# Altium PCB PCB_with_drawing_try2.PcbDoc (part 5 of 5)
Units mm, origin at the board's own origin, x right, y up, seen from the top; angles counter-clockwise.
Board outline 187.5 x 240 mm, 2 copper layers (Top Layer, Bottom Layer), stack 2.8 mm thick; 489 components, 419 nets, 1569 pads, 683 vias.
Unrouted connection lines stored in the file: 11.
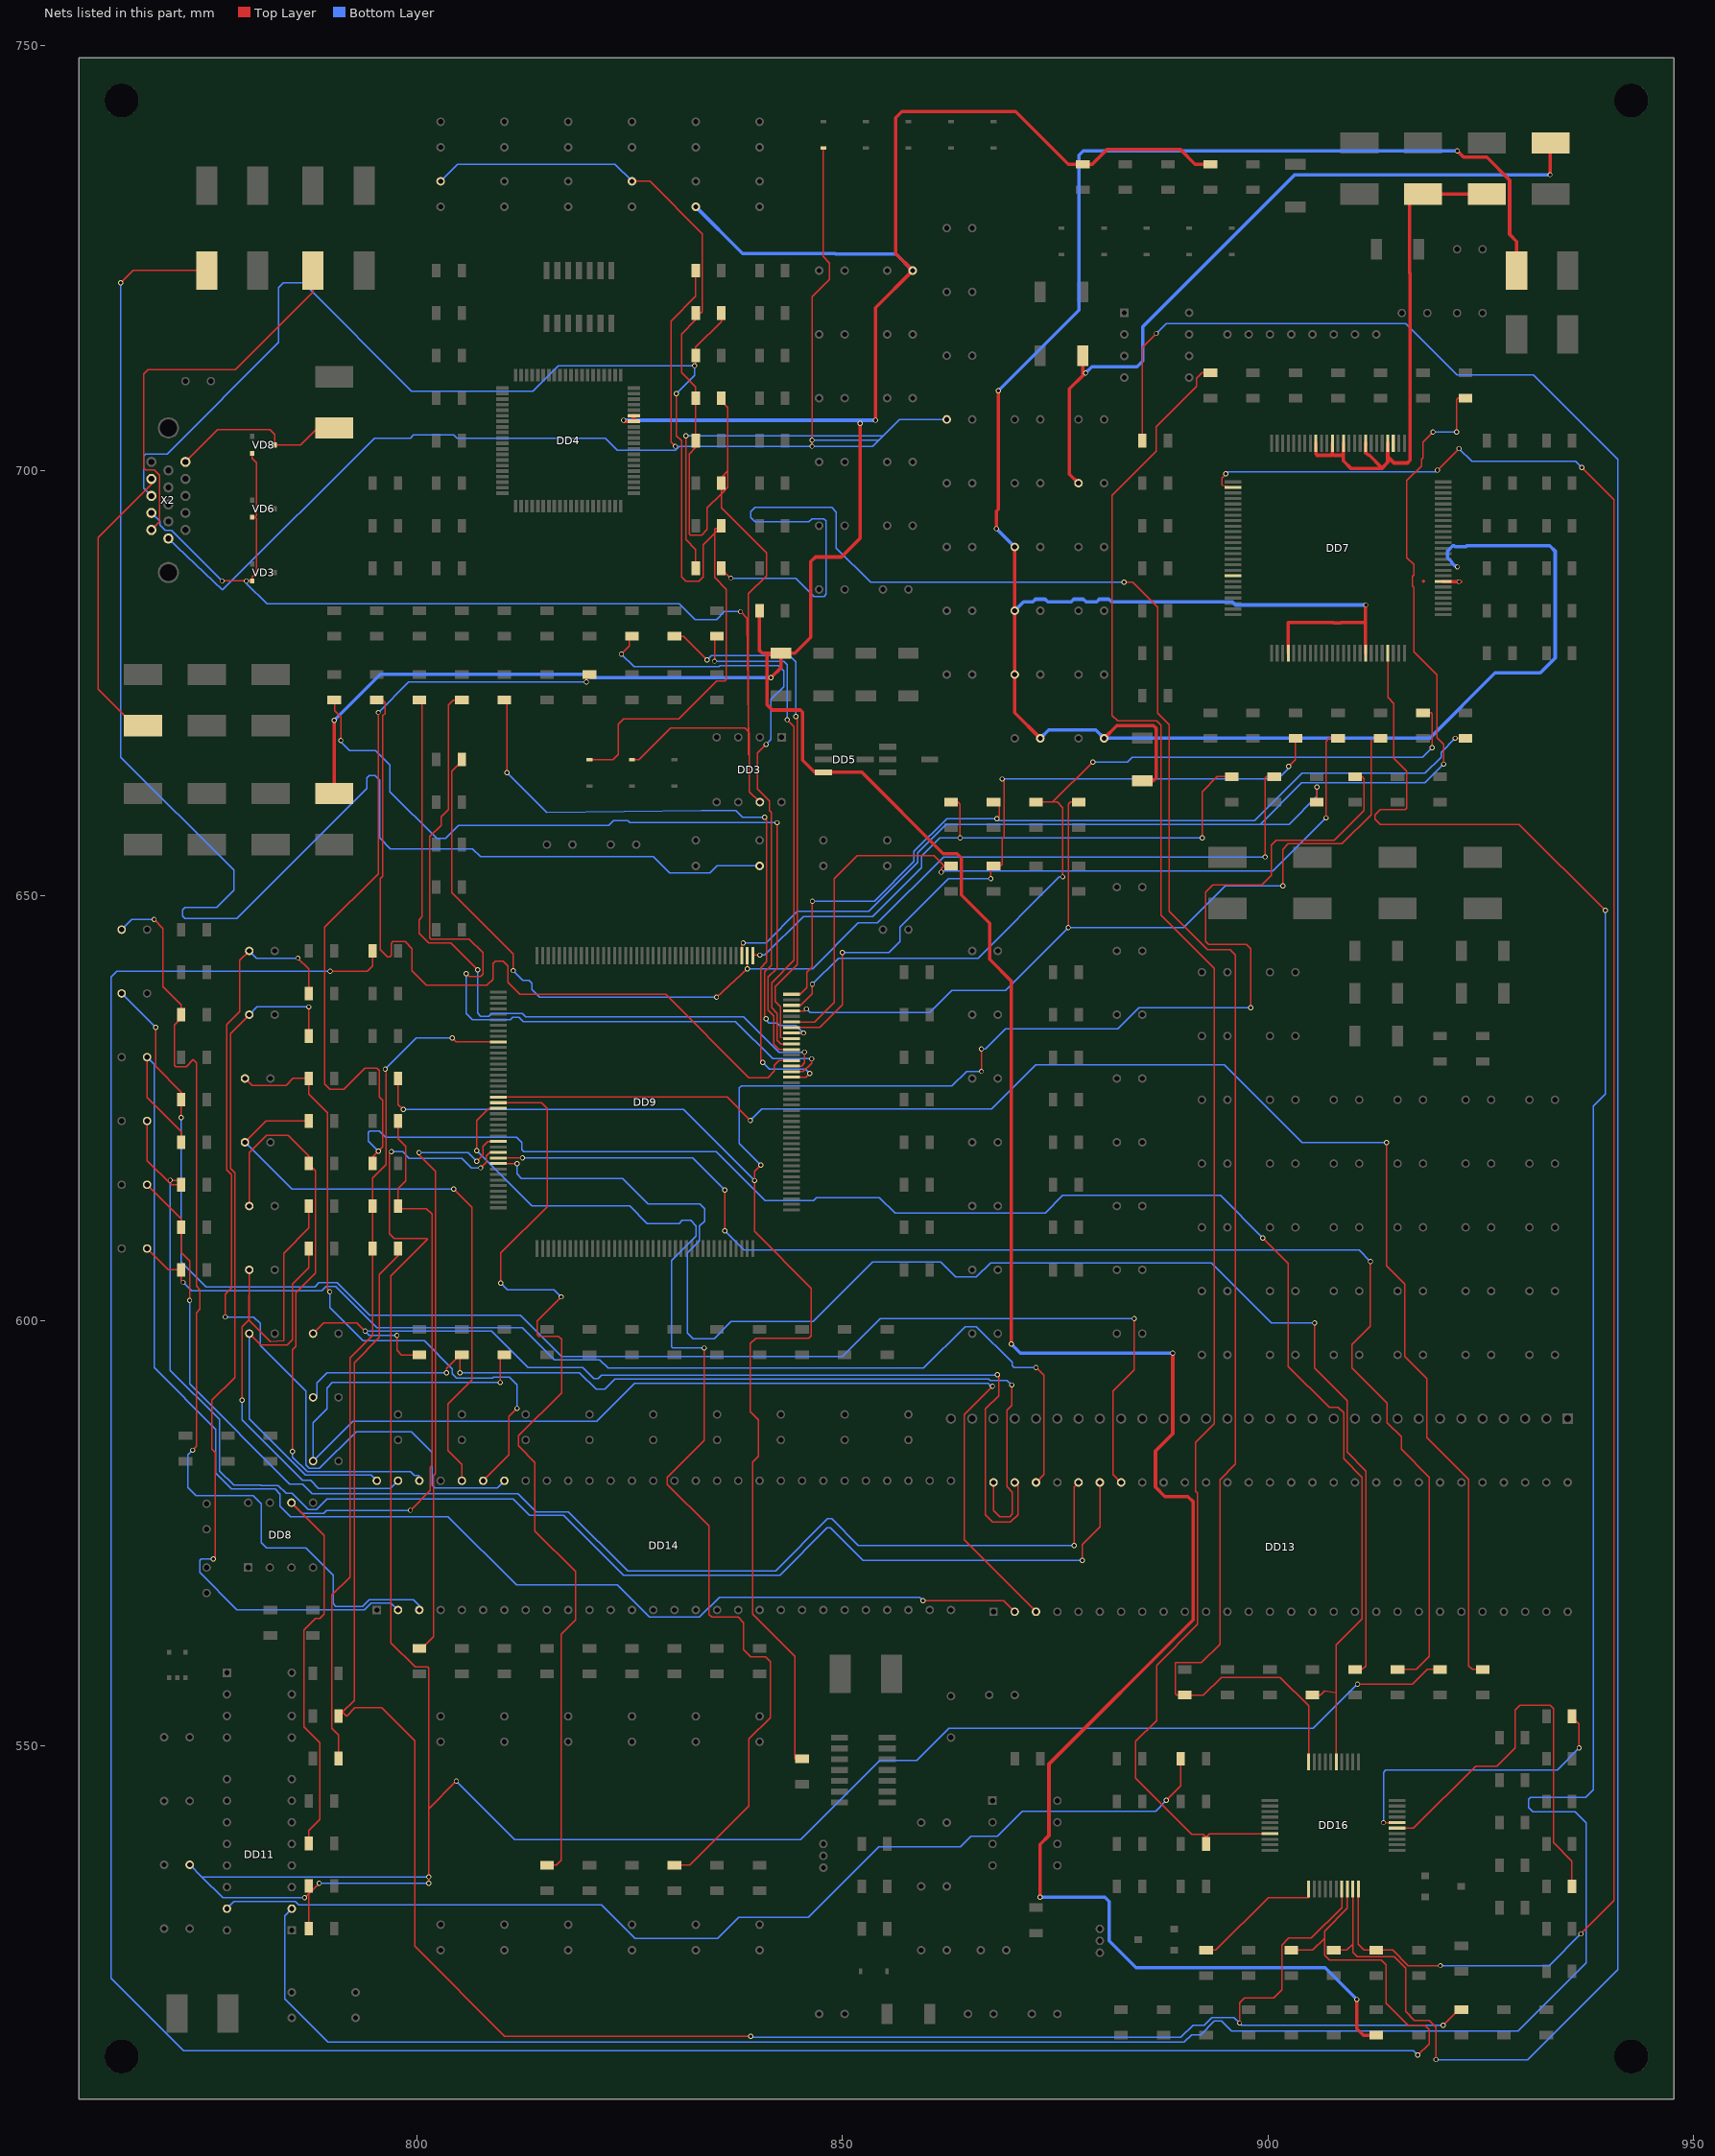
[diagram p5: the nets of this part, all layers, seen from the top]

## Via types
v1: diameter 0.6, hole 0.4, Top Layer to Bottom Layer, 677 vias
v2: diameter 0.5, hole 0.4, Top Layer to Bottom Layer, 3 vias
v3: diameter 0.4, hole 0.4, Top Layer to Bottom Layer, 2 vias
v4: diameter 0.6, hole 0.3, Top Layer to Bottom Layer, 1 vias

## Nets (pads, with @x,y where several pads share a name; then routed paths per layer and width w, separated by ;. In a path a pad name is that pad's centre, name@x,y a point inside that pad or via, vN(x,y) a via of type N, cw(c..) or ccw(c..) an arc to the next point about the centre after c; other vN are vias at no path point) (continued)
O3_3V: C43.1 C46.2 C48.2 C51.2 C53.2 C54.2 DD7.18 DD7.29 DD7.43 DD7.57 DD7.78 L14.2 | length 309.2
  Top Layer w0.4: v1(868.099,693.151) 868.099,695.206 868.321,695.428 v1(868.321,709.37) ; C54.2@870.25,691 C53.2@870.25,683.5 C51.2@870.25,676 870.25,671.5 C48.2@873.25,668.5 ; C46.2@880.75,668.5 882.256,670.006 886.54,670.006 886.87,669.676 886.87,663.834 886.536,663.5 C43.1@885.25,663.5 ; DD7.29@902.4,678.5 902.4,682.1 907.684,682.1 907.739,682.045 908.561,682.045 908.616,682.1 911.45,682.1 911.5,682.05 ; DD7.43@911.5,678.5 911.5,682.05 ; v1(911.508,684.179) 911.5,684.172 911.5,682.05 ; DD7.57@920.6,686.95 920.631,686.919 v2@922.694,686.919 ; v1(922.277,737.57) 923.014,736.834 925.732,736.834 928.424,734.141 928.424,727.753 929.25,726.928 L14.2@929.25,723.5
  Bottom Layer w0.4: v1(868.099,693.151) C54.2@870.25,691 ; v1(868.321,709.37) 877.802,718.85 877.802,737.062 878.31,737.57 v1(922.277,737.57) ; C53.2@870.25,683.5 871.285,684.535 872.365,684.535 872.688,684.858 873.813,684.858 874.113,684.558 876.888,684.558 877.188,684.858 878.313,684.858 878.636,684.535 879.864,684.535 880.187,684.858 881.312,684.858 881.636,684.535 895.836,684.535 896.192,684.179 v1(911.508,684.179) ; C48.2@873.25,668.5 874.223,669.473 879.777,669.473 C46.2@880.75,668.5 919.044,668.5 926.722,676.178 932.031,676.178 933.784,677.931 933.784,690.504 933.149,691.139 923.398,691.139 923.297,691.038 922.003,691.038 921.902,691.139 921.744,691.139 921.109,690.504 921.109,689.75 921.642,689.216 921.642,689.115 921.998,688.759 922.168,688.759 v1(922.285,688.642)
  other v2: 922.45,686.9
OSD_B: DD9.22 R190.2 | length 131.9
  Top Layer w0.15: v1(806.987,620.019) 806.987,623.575 808.412,625 DD9.22@809.55,625 ; R190.2@830.25,536 832.057,536 838.991,542.934 838.991,550.829 841.505,553.344 841.505,559.948 840.947,560.507 839.194,560.507 838.356,561.345 838.356,564.52 837.721,565.155 834.622,565.155 834.292,565.485 834.292,575.875 829.421,580.746 829.421,581.62 833.733,585.932 v1(833.733,596.803)
  Bottom Layer w0.15: v1(806.987,620.019) 813.467,613.539 824.97,613.539 827.049,611.459 830.818,611.459 831.168,611.809 832.139,611.809 832.783,611.164 832.783,609.986 829.898,607.1 829.898,596.956 830.05,596.803 v1(833.733,596.803)
OSD_CLK: C131.1 DD9.30 R175.2 R176.2 R193.2 | length 302.7
  Top Layer w0.15: v1(786.768,532.16) 787.25,532.642 ; R176.2@787.25,528.54 787.25,532.642 ; R175.2@787.25,533.54 787.25,532.642 ; v1(788.47,533.862) 787.25,532.642 ; v1(796.979,619.892) 796.751,619.663 796.751,610.24 797.284,609.707 801.145,609.707 801.221,609.63 796.903,605.312 796.903,562.158 799.773,559.288 801.221,559.288 801.348,559.161 801.348,542.625 ; v1(801.348,533.862) v1(801.348,534.624) 801.348,542.625 ; v1(804.599,545.876) 801.348,542.625 ; v1(807.471,617.999) 808.112,618.64 808.112,619.366 808.546,619.8 DD9.30@809.55,619.8 ; v1(910.543,557.281) 917.02,557.281 918.739,559 R193.2@920.25,559
  Bottom Layer w0.15: C131.1@773.25,536.04 774.666,534.624 ; v1(786.768,532.16) 777.13,532.16 774.666,534.624 ; v1(788.47,533.862) v1(801.348,533.862) ; v1(796.979,619.892) 798.3,619.892 799.062,619.13 805.223,619.13 806.354,617.999 v1(807.471,617.999) ; v1(801.348,534.624) 774.666,534.624 ; v1(804.599,545.876) 811.457,539.018 845.087,539.018 854.383,548.315 858.752,548.315 862.511,552.074 905.336,552.074 v1(910.543,557.281)
OSD_G: DD9.21 R191.2 | length 114
  Top Layer w0.15: DD9.21@809.55,625.65 814.589,625.65 815.267,624.972 815.267,613.415 809.832,607.979 v1(809.832,604.423) ; R191.2@815.25,536 816.338,536 816.918,536.58 816.918,563.148 818.595,564.825 818.595,570.54 813.845,575.29 813.845,583.367 811.921,585.291 811.921,586.498 816.969,591.546 816.969,597.819 816.588,598.2 814.302,598.2 814.099,598.404 814.099,599.978 v1(816.944,602.823)
  Bottom Layer w0.15: v1(809.832,604.423) 810.594,603.661 816.105,603.661 v1(816.944,602.823)
OSD_HS: DD9.31 R194.2 | length 165.8
  Top Layer w0.15: DD9.31@809.55,619.15 v1(812.376,619.15) ; v1(836.146,610.596) v1(836.146,615.371) ; v1(912.067,606.989) 912.067,599.355 909.921,597.21 909.921,594.441 914.022,590.34 914.022,588.04 915.696,586.367 915.696,584.926 919.001,581.621 919.001,560.532 917.469,559 R194.2@915.25,559
  Bottom Layer w0.15: v1(812.376,619.15) 832.367,619.15 v1(836.146,615.371) ; v1(836.146,610.596) 838.407,608.335 910.72,608.335 v1(912.067,606.989)
OSD_R: DD9.20 R192.2 | length 179.4
  Top Layer w0.15: DD9.20@809.55,626.3 836.447,626.3 v1(839.177,623.57) ; v1(913.946,620.959) 913.946,606.455 916.08,604.322 916.08,595.813 918.696,593.197 918.696,586.262 923.598,581.36 923.598,559.432 924.03,559 R192.2@925.25,559
  Bottom Layer w0.15: v1(839.177,623.57) 840.528,624.921 867.54,624.921 872.722,630.103 894.871,630.103 904.015,620.959 v1(913.946,620.959)
OSD_VS: DD9.32 R195.2 | length 169
  Top Layer w0.15: DD9.32@809.55,618.5 811.737,618.5 v1(811.742,618.495) ; v1(905.513,599.75) 905.513,594.441 909.321,590.634 909.321,584.561 911.533,582.348 911.533,559.44 911.093,559 R195.2@910.25,559
  Bottom Layer w0.15: v1(811.742,618.495) 811.742,617.281 812.27,616.753 824.126,616.753 827.133,613.745 833.225,613.745 833.784,613.186 833.784,611.739 833.187,611.142 833.187,609.402 831.777,607.992 831.777,598.556 832.412,597.921 834.901,597.921 836.908,599.928 846.535,599.928 853.545,606.938 861.546,606.938 863.324,605.16 865.737,605.16 867.413,606.836 893.347,606.836 900.433,599.75 v1(905.513,599.75)
P3_3V: C41.1 C44.2 L15.2 | length 87
  Top Layer w0.4: C44.2@877.75,698.5 876.684,699.566 876.684,709.579 878.25,711.145 878.25,711.773 ; C41.1@878.25,713.5 878.25,711.773 ; v1(878.564,711.459) 878.25,711.773 ; v1(933.174,734.776) 933.174,738.5 L15.2@933.25,738.5
  Bottom Layer w0.4: v1(878.564,711.459) 879.301,712.196 884.635,712.196 885.295,712.856 885.295,716.895 903.177,734.776 v1(933.174,734.776)
P3V3: C16.2 C38.1 C40.1 DD4.34 DD4.35 DD5.3 L12.1 R22.1 R52.1 R53.1 R237.2 | length 492.3
  Top Layer w0.4: v1(790.248,670.616) 790.248,662 L12.1@790.25,662 ; v1(824.256,705.896) 824.378,705.775 DD4.34@825.472,705.775 DD4.35@825.472,706.425 ; R22.1@840.25,683.5 840.25,678.82 840.57,678.5 841.48,678.5 ; v1(841.582,675.624) 842.75,676.792 C40.1@842.75,678.5 ; v1(852.075,705.537) 852.075,692.028 849.865,689.818 846.814,689.818 846.281,689.285 846.281,680.38 844.401,678.5 C40.1@842.75,678.5 ; v1(853.892,705.896) 853.892,719.142 C38.1@858.25,723.5 856.254,725.496 856.254,741.473 856.974,742.193 870.36,742.193 876.553,736 R52.1@878.25,736 879.351,736 881.074,737.723 889.745,737.723 891.467,736 R53.1@893.25,736 ; v1(869.852,597.286) 869.852,639.958 867.286,642.523 867.286,646.765 863.959,650.093 863.959,654.436 863.451,654.944 861.831,654.944 852.275,664.5 DD5.3@847.75,664.5 846.724,664.5 845.301,665.924 845.301,671.562 845.036,671.827 841.734,671.827 841.15,672.411 841.15,678.17 841.48,678.5 ; v1(873.23,532.237) 873.23,538.434 874.271,539.476 874.271,547.892 891.204,564.825 891.204,578.744 890.611,579.337 887.902,579.337 886.794,580.446 886.794,584.713 888.826,586.745 v1(888.826,596.219) ; v1(910.466,520.197) 910.466,516.768 911.234,516 R237.2@912.75,516 ; 841.48,678.5 C40.1@842.75,678.5
  Bottom Layer w0.4: v1(790.248,670.616) 795.658,676.026 820.044,676.026 820.446,675.624 v1(841.582,675.624) ; v1(824.256,705.896) 851.716,705.896 ; C16.2@832.75,731 838.238,725.512 849.132,725.512 849.19,725.455 856.295,725.455 C38.1@858.25,723.5 ; v1(852.075,705.537) 851.716,705.896 ; v1(853.892,705.896) 851.716,705.896 ; v1(869.852,597.286) 870.919,596.219 v1(888.826,596.219) ; v1(873.23,532.237) 880.85,532.237 881.358,531.729 881.358,527.08 884.516,523.923 906.741,523.923 v1(910.466,520.197)
PD: DD7.2 DD16.30 R228.2 | length 257.8
  Top Layer w0.15: v1(895.05,699.6) 895.05,699.573 894.591,699.115 894.591,698.229 DD7.2@895.9,698 ; DD16.30@910.65,533.2 910.65,526.68 911.33,526 R228.2@912.75,526 914.684,526 916.499,524.185 v1(920.296,524.185) ; v1(919.941,700.029) v1(922.481,702.569) ; v1(936.806,527.919) 940.718,531.83 940.718,696.549 v1(936.933,700.334)
  Bottom Layer w0.15: v1(895.05,699.6) 895.077,699.6 895.303,699.826 919.737,699.826 v1(919.941,700.029) ; v1(920.296,524.185) 933.072,524.185 v1(936.806,527.919) ; v1(922.481,702.569) 923.979,701.07 936.197,701.07 v1(936.933,700.334)
PDO: DD16.29 R57.2 R227.2 | length 308.1
  Top Layer w0.15: R57.2@885.25,703.5 885.25,714.456 v1(886.901,716.107) ; R227.2@907.75,526 909.298,526 910,526.702 ; DD16.29@910,533.2 910,526.702 ; v1(919.763,513.136) 919.763,516.946 918.95,517.759 917.248,517.759 916.207,518.8 916.207,523.905 914.887,525.225 910.517,525.225 910,525.742 910,526.702
  Bottom Layer w0.15: v1(886.901,716.107) 888.044,717.25 916.232,717.25 922.277,711.205 931.218,711.205 941.124,701.299 941.124,523.702 930.558,513.136 v1(919.763,513.136)
PKA_GND: DD7.79 DD7.83 DD7.87 DD7.89 DD7.92 L16.2 L17.2 | length 63.5
  Top Layer w0.4: DD7.92@905.65,703.2 905.65,701.934 905.802,701.782 907.448,701.782 907.6,701.934 ; DD7.89@907.6,703.2 907.6,701.934 ; DD7.87@908.9,703.2 908.9,701.934 908.892,701.926 ; DD7.83@911.504,703.2 911.504,702.929 911.5,702.925 911.5,702.069 911.592,701.977 911.633,701.977 911.809,701.8 911.909,701.8 913.362,700.347 913.362,700.207 ; DD7.79@914.1,703.2 914.1,701.602 ; L16.2@925.75,732.5 L17.2@918.25,732.5 916.689,732.5 916.689,723.219 916.715,723.194 916.715,701.172 916.418,700.875 914.827,700.875 914.1,701.602 ; 907.6,701.934 907.752,701.782 908.748,701.782 908.892,701.926 ; 908.892,701.926 908.892,701.121 909.806,700.207 913.362,700.207 ; 913.362,700.207 914.1,700.945 914.1,701.602
POWER_ON_OFF: DD16.21 R211.2 | length 15.6
  Top Layer w0.15: R211.2@892.75,526 893.88,526 900.069,532.189 904.8,532.189 DD16.21@904.8,533.2
PSC0: DD16.35 R220.2 | length 49
  Top Layer w0.15: DD16.35@915.2,540.35 917.115,540.35 924.422,547.657 926.928,547.657 929.059,549.788 929.059,554.258 929.618,554.817 933.174,554.817 933.58,554.411 933.58,538.648 935.75,536.478 R220.2@935.75,533.5
PSC1: DD16.36 R210.2 | length 35.8
  Top Layer w0.15: v1(913.591,541) DD16.36@915.2,541 ; R210.2@935.75,553.5 935.75,553.446 936.603,552.593 v1(936.603,549.763)
  Bottom Layer w0.15: v1(913.591,541) 913.591,546.892 913.87,547.172 934.012,547.172 v1(936.603,549.763)
R_IN: L6.1 VD8.3 X2.1 | length 21.4
  Top Layer w0.15: X2.1@772.75,701 776.529,704.779 782.691,704.779 783.25,704.22 VD8.3@783.25,703 783.25,702.975 786.319,702.975 788.343,705 L6.1@790.25,705
R_INA0: DD9.105 R48.2 | length 79.1
  Top Layer w0.15: R48.2@810.25,673 810.543,673 v1(810.543,664.469) ; v1(840.625,630.374) 840.371,630.628 840.371,641.49 841.099,642.219 841.099,658.957 v1(840.845,659.211) ; DD9.105@844,628.65 845.708,628.65 v1(846.154,629.096)
  Bottom Layer w0.15: v1(810.543,664.469) 815.209,659.803 833.426,659.999 837.467,659.999 838.254,659.211 v1(840.845,659.211) ; v1(840.625,630.374) 841.404,629.595 845.655,629.595 v1(846.154,629.096)
R_INA1: DD9.106 R47.2 | length 92.9
  Top Layer w0.15: R47.2@805.25,673 804.218,673 803.662,672.444 803.662,660.116 802.795,659.25 802.795,658.271 801.475,656.951 801.475,645.038 801.602,644.911 806.123,644.911 807.749,643.285 807.749,640.791 807.444,640.487 806.077,640.487 v1(805.742,640.822) ; DD9.106@844,629.3 845.363,629.3 846.357,630.294 v1(846.357,630.814)
  Bottom Layer w0.15: v1(805.742,640.822) 805.742,636.148 806.47,635.42 810.947,635.42 811.246,635.72 811.984,635.72 812.491,635.212 837.404,635.212 841.802,630.814 v1(846.357,630.814)
R_INA2: DD9.107 R46.2 | length 85.2
  Top Layer w0.15: R46.2@800.25,673 800.561,673 800.561,647.519 800.211,647.169 800.211,645.559 801.334,644.436 803.957,644.436 v1(807.114,641.279) ; DD9.107@844,629.95 845.188,629.95 845.544,630.306 v1(845.544,631.601)
  Bottom Layer w0.15: v1(807.114,641.279) 807.114,636.178 807.468,635.824 808.42,635.824 808.72,636.124 812.332,636.124 812.731,635.725 838.39,635.725 842.513,631.601 v1(845.544,631.601)
R_INA3: DD9.108 R45.2 | length 94.6
  Top Layer w0.15: R45.2@795.25,673 795.938,673 796.211,672.727 796.211,671.42 795.961,671.17 795.961,652.302 795.633,651.974 795.633,643.666 796.522,642.777 796.776,642.777 796.954,642.955 796.954,644.403 797.132,644.581 798.579,644.581 799.392,643.768 799.392,641.177 801.094,639.475 808.206,639.475 808.892,640.161 808.892,641.99 809.171,642.269 810.111,642.269 810.644,641.736 810.644,639.806 812.07,638.38 829.2,638.38 838.975,628.604 841.226,628.604 841.988,629.366 841.988,630.052 842.536,630.6 DD9.108@844,630.6
R_INA4: DD9.110 R44.2 | length 93.1
  Top Layer w0.15: R44.2@790.25,673 790.274,673 790.274,671.759 791.01,671.022 v1(791.01,668.228) ; v1(842.304,658.576) 842.304,641.468 841.261,640.424 841.261,636.533 841.906,635.888 841.906,632.541 842.547,631.9 DD9.110@844,631.9
  Bottom Layer w0.15: v1(791.01,668.228) 791.01,668.09 792.066,667.034 795.099,667.034 796.788,665.345 796.788,662.234 802.294,656.728 803.352,656.728 804.876,658.252 822.497,658.252 823.054,658.809 824.784,658.809 825.017,658.576 v1(842.304,658.576)
R_INA5: DD9.111 R43.2 | length 59.7
  Top Layer w0.15: v1(834.952,677.575) 834.952,680.5 R43.2@835.25,680.5 ; v1(843.512,670.692) 844.299,669.905 844.299,642.39 841.665,639.755 841.665,636.817 842.31,636.172 842.31,632.99 842.75,632.55 DD9.111@844,632.55
  Bottom Layer w0.15: v1(834.952,677.575) 843.106,677.575 843.512,677.169 v1(843.512,670.692)
R_INA6: DD9.112 R42.2 | length 62.8
  Top Layer w0.15: R42.2@830.25,680.5 831.291,680.5 v1(834.063,677.728) ; DD9.112@844,633.2 842.714,633.314 842.714,636.91 842.069,637.555 842.069,639.288 844.706,641.925 844.706,670.895 v1(844.528,671.073)
  Bottom Layer w0.15: v1(834.063,677.728) 834.571,678.236 843.766,678.236 844.528,677.474 v1(844.528,671.073)
R_INA7: DD9.113 R41.2 | length 72.6
  Top Layer w0.15: v1(824.005,678.414) 824.945,679.353 824.945,680.5 R41.2@825.25,680.5 ; v1(841.019,667.767) 840.007,666.755 840.007,662.539 841.385,661.16 841.385,659.995 841.613,659.767 841.613,641.793 840.857,641.036 840.857,635.679 v1(841.023,635.513) ; DD9.113@844,633.85 v1(845.407,633.85)
  Bottom Layer w0.15: v1(824.005,678.414) 825.478,676.94 835.48,676.94 835.581,677.042 842.471,677.042 843.091,676.422 843.091,674.569 841.597,673.076 841.597,668.345 v1(841.019,667.767) ; v1(841.023,635.513) 841.023,635.386 841.381,635.028 842.311,635.028 842.621,634.718 844.539,634.718 v1(845.407,633.85)
R_INB0: DD9.114 R65.2 R107.2 | length 86.5
  Top Layer w0.15: DD9.114@844,634.5 847.318,634.5 849.989,637.171 v1(849.989,643.311) ; v1(867.439,651.998) 867.439,653.5 R65.2@867.75,653.5 868.594,653.5 868.768,653.674 868.768,656.688 868.995,656.915 868.995,663.58 868.868,663.707 v1(868.785,663.707) ; v1(902.465,665.203) 903.253,665.991 903.253,668.5 R107.2@903.25,668.5
  Bottom Layer w0.15: v1(849.989,643.311) 855.45,643.311 856.766,644.627 856.766,646.308 862.456,651.998 v1(867.439,651.998) ; v1(868.785,663.707) 901.198,663.707 902.465,664.975 v1(902.465,665.203)
R_INB1: DD9.115 R64.2 R106.2 | length 95.2
  Top Layer w0.15: DD9.115@844,635.15 846.717,635.15 848.998,637.431 848.998,651.972 851.721,654.694 860.736,654.694 861.931,653.5 ; v1(861.597,652.76) 861.597,653.166 861.931,653.5 ; R64.2@862.75,653.5 861.931,653.5 ; v1(906.834,659.135) 906.834,668.152 907.182,668.5 R106.2@908.25,668.5
  Bottom Layer w0.15: v1(861.597,652.76) 861.749,652.912 900.611,652.912 v1(906.834,659.135)
R_INB2: DD9.117 R63.2 R105.2 | length 106.4
  Top Layer w0.15: DD9.117@844,636.45 845.516,636.45 v1(845.747,636.681) ; v1(876.532,646.232) 876.532,660.746 876.786,661 R63.2@877.75,661 ; v1(901.78,651.134) 901.78,655.452 902.415,656.087 908.73,656.087 912.168,659.525 912.168,668.322 R105.2@913.25,668.5
  Bottom Layer w0.15: v1(845.747,636.681) 846.196,636.233 860.242,636.233 862.859,638.849 869.149,638.849 v1(876.532,646.232) 890.12,646.232 895.022,651.134 v1(901.78,651.134)
R_INB3: DD9.118 R61.2 R104.2 | length 102.8
  Top Layer w0.15: DD9.118@844,637.1 845.084,637.1 846.458,638.474 v1(846.458,639.602) ; R61.2@872.75,661 874.714,661 ; v1(875.897,652.201) 875.897,660.354 875.251,661 874.714,661 ; v1(879.423,665.709) 874.714,661 ; R104.2@918.25,671.5 919.204,671.5 919.331,671.373 v1(919.331,667.394)
  Bottom Layer w0.15: v1(846.458,639.602) 849.506,642.65 865.94,642.65 875.491,652.201 v1(875.897,652.201) ; v1(879.423,665.709) 883.519,665.709 884.057,666.247 918.184,666.247 v1(919.331,667.394)
R_INB4: DD9.120 R60.2 R103.2 | length 101.2
  Top Layer w0.15: DD9.120@844,638.4 845.017,638.4 845.829,639.213 845.829,640.993 846.458,641.622 v1(846.458,649.356) ; R60.2@867.75,661 868.404,661 868.404,659.313 v1(868.15,659.059) ; v1(922.016,668.5) R103.2@923.25,668.5
  Bottom Layer w0.15: v1(846.458,649.356) 853.748,649.356 858.395,654.002 858.395,655.198 862.255,659.059 v1(868.15,659.059) 868.408,658.801 898.448,658.801 904.027,664.38 918.481,664.38 920.364,666.262 920.364,666.848 v1(922.016,668.5)
R_INB5: DD9.121 R58.2 R102.2 | length 74.2
  Top Layer w0.15: DD9.121@839.45,642.95 839.45,643.006 v1(840.286,643.006) ; R58.2@862.75,661 863.578,661 863.832,660.746 v1(863.832,656.798) ; v1(892.28,656.798) 892.28,662.222 894.058,664 R102.2@895.75,664
  Bottom Layer w0.15: v1(840.286,643.006) 840.87,643.006 845.389,647.525 853.543,647.525 859.302,653.284 859.302,654.649 861.45,656.798 v1(863.832,656.798) v1(892.28,656.798)
R_INB6: DD9.122 R55.2 R101.2 | length 137.1
  Top Layer w0.15: R55.2@805.25,666 805.25,665.841 804.066,664.656 804.066,650.372 811.279,643.158 v1(811.279,641.187) ; v1(835.181,638.053) v1(838.8,641.397) DD9.122@838.8,642.95 ; v1(899.671,654.557) 899.671,663.834 899.837,664 R101.2@900.75,664
  Bottom Layer w0.15: v1(811.279,641.187) 812.413,640.054 813.127,640.054 813.477,639.704 813.477,638.989 814.413,638.053 v1(835.181,638.053) ; v1(838.8,641.397) 846.475,641.397 851.869,646.791 854.096,646.791 861.863,654.557 v1(899.671,654.557)
R_INB7: DD9.123 R54.2 R100.2 | length 154.2
  Top Layer w0.15: DD9.123@838.15,642.95 838.15,644.248 v1(838.33,644.428) ; R100.2@905.75,661 905.767,661 v1(905.767,662.767) ; v1(919.407,704.499) 918.246,703.338 918.246,701.496 918.056,701.306 918.056,700.507 916.34,698.791 916.34,691.323 916.34,690.752 916.34,689.748 917.157,688.93 917.157,687.7 916.982,687.524 916.982,686.416 917.157,686.241 917.157,678.694 919.864,675.987 919.864,668.609 920.677,667.796 v1(920.677,665.46) ; v1(922.176,704.499) 922.176,708.297 922.379,708.5 R54.2@923.25,708.5
  Bottom Layer w0.15: v1(838.33,644.428) 840.997,644.428 844.706,648.137 853.1,648.137 858.854,653.89 858.854,655.063 862.188,658.397 899.111,658.397 ; v1(905.767,662.767) 905.767,661.675 902.489,658.397 899.111,658.397 ; v1(919.407,704.499) v1(922.176,704.499) ; v1(920.677,665.46) 918.484,663.267 903.981,663.267 899.111,658.397
RA0: C127.2 DD14.50 R168.1 | length 109.3
  Top Layer w0.15: v1(777.421,600.461) 777.421,603.128 778.152,603.859 778.152,617.206 777.624,617.733 777.624,634.827 779.148,636.351 779.148,642.398 C127.2@780.25,643.5 ; v1(785.981,642.65) 787.25,641.381 R168.1@787.25,638.5
  Bottom Layer w0.15: v1(777.421,600.461) 780.774,600.461 781.561,599.674 781.561,597.083 786.921,591.723 786.921,583.062 787.312,582.671 788.511,582.671 792.814,586.974 799.316,586.974 801.754,584.535 801.754,580.7 802.083,580.371 809.421,580.371 DD14.50@810.25,581.2 ; C127.2@780.25,643.5 781.1,642.65 v1(785.981,642.65)
RA1: C125.2 DD14.2 R167.1 | length 106.2
  Top Layer w0.15: v1(776.024,572.013) 776.253,572.242 776.253,584.531 775.867,584.917 775.867,590.652 778.556,593.341 778.556,617.399 778.031,617.924 778.031,633.781 C125.2@780.25,636 ; R167.1@787.25,633.5 v1(787.25,636.91)
  Bottom Layer w0.15: v1(776.024,572.013) 774.599,572.013 774.421,571.835 774.421,570.416 778.81,566.027 793.787,566.027 794.589,566.829 796.921,566.829 DD14.2@797.75,566 ; C125.2@780.25,636 781.16,636.91 v1(787.25,636.91)

## Text inside footprints (layer, text, board x,y; h text height)
ZBOAS258887214: Mechanical 12 "RX_CLK-" at 200.75,2425.25 h1 r90; Mechanical 12 "R179" at 229.755,2341.805 h1; Mechanical 12 "R180" at 224.752,2341.805 h1; Mechanical 12 "C12" at 166.64,2431.269 h1; Mechanical 12 "C15" at 158.154,2365.268 h1; Mechanical 12 "DD17" at 172.725,2252.411 h1; Mechanical 12 "C11" at 135.656,2365.268 h1; Mechanical 12 "C37" at 143.142,2365.252 h1; Mechanical 12 "C39" at 150.66,2365.252 h1; Mechanical 12 "C61" at 127.151,2366.267 h1; Mechanical 12 "R190" at 134.756,2244.299 h1; Mechanical 12 "R206" at 124.748,2244.299 h1; Mechanical 12 "C84" at 92.162,2301.259 h1; Mechanical 12 "R173" at 92.105,2252.193 h1; Mechanical 12 "C101" at 69.638,2333.75 h1; Mechanical 12 "C107" at 69.64,2348.751 h1; Mechanical 12 "C116" at 84.654,2316.253 h1; Mechanical 12 "R158" at 77.089,2324.646 h1; Mechanical 12 "L14" at 232.854,2434.059 h1; Mechanical 12 "R96" at 222.756,2419.809 h1; Mechanical 12 "R91" at 230.594,2407.16 h1; Mechanical 12 "R93" at 230.594,2397.152 h1; Mechanical 12 "R95" at 230.594,2387.17 h1; Mechanical 12 "R97" at 224.762,2372.311 h1; Mechanical 12 "R192" at 229.762,2267.319 h1; Mechanical 12 "R193" at 224.75,2267.319 h1; Mechanical 12 "R213" at 237.611,2257.154 h1; Mechanical 12 "R230" at 232.099,2254.665 h1; Mechanical 12 "R217" at 237.611,2247.146 h1; Mechanical 12 "R235" at 232.099,2244.657 h1; Mechanical 12 "R220" at 237.611,2242.168 h1; Mechanical 12 "R222" at 237.611,2237.164 h1; Mechanical 12 "VT1" at 223.638,2242.953 h1; Mechanical 12 "R209" at 222.252,2234.319 h1; Mechanical 12 "R224" at 237.611,2232.16 h1; Mechanical 12 "C52" at 207.16,2444.549 h1; Mechanical 12 "R53" at 197.762,2444.32 h1; Mechanical 12 "R56" at 197.762,2419.809 h1; Mechanical 12 "R59" at 207.744,2419.809 h1; Mechanical 12 "DD7" at 200.505,2411.757 h1; Mechanical 12 "R89" at 190.091,2407.16 h1; Mechanical 12 "R87" at 190.091,2397.152 h1; Mechanical 12 "R85" at 190.091,2387.17 h1; Mechanical 12 "R99" at 214.755,2372.311 h1; Mechanical 12 "R102" at 200.251,2372.311 h1; Mechanical 12 "L21" at 207.607,2364.056 h1; Mechanical 12 "C134" at 214.846,2352.753 h1; Mechanical 12 "C135" at 214.846,2342.77 h1; Mechanical 12 "C136" at 214.846,2347.749 h1; Mechanical 12 "R188" at 199.741,2267.296 h1; Mechanical 12 "R195" at 214.753,2267.313 h1; Mechanical 12 "VT3" at 189.901,2236.82 h1; Mechanical 12 "R211" at 197.263,2234.311 h1; Mechanical 12 "R225" at 207.241,2234.301 h1; Mechanical 12 "R52" at 182.751,2444.32 h1; Mechanical 12 "C38" at 159.643,2433.762 h1; Mechanical 12 "C9" at 166.649,2423.762 h1; Mechanical 12 "C30" at 159.661,2426.255 h1; Mechanical 12 "C4" at 166.649,2408.75 h1; Mechanical 12 "C32" at 159.643,2411.265 h1; Mechanical 12 "C44" at 182.141,2408.76 h1; Mechanical 12 "C55" at 174.648,2408.76 h1; Mechanical 12 "C3" at 166.641,2401.257 h1; Mechanical 12 "C33" at 159.661,2403.757 h1; Mechanical 12 "C54" at 174.648,2401.267 h1; Mechanical 12 "C58" at 182.141,2401.267 h1; Mechanical 12 "C2" at 166.641,2393.764 h1; Mechanical 12 "C53" at 174.648,2393.749 h1; Mechanical 12 "C59" at 182.141,2393.749 h1; Mechanical 12 "C46" at 182.141,2378.763 h1; Mechanical 12 "C48" at 174.648,2378.763 h1; Mechanical 12 "R58" at 167.242,2369.314 h1; Mechanical 12 "R63" at 182.254,2369.314 h1; Mechanical 12 "C70" at 159.147,2356.258 h1; Mechanical 12 "R130" at 159.756,2307.302 h1; Mechanical 12 "ZQ1" at 165.74,2266.788 h1; Mechanical 12 "R199" at 175.088,2257.161 h1; Mechanical 12 "R239" at 157.104,2247.153 h1; Mechanical 12 "R205" at 157.104,2237.146 h1; Mechanical 12 "R231" at 157.104,2242.15 h1; Mechanical 12 "VD17" at 157.358,2231.964 h1; Mechanical 12 "C22" at 135.646,2449.751 h1; Mechanical 12 "C23" at 143.162,2449.76 h1; Mechanical 12 "C29" at 151.638,2433.748 h1; Mechanical 12 "C28" at 151.656,2426.266 h1; Mechanical 12 "C26" at 151.638,2411.25 h1; Mechanical 12 "C25" at 151.656,2403.768 h1; Mechanical 12 "C35" at 151.661,2387.062 h1; Mechanical 12 "R18" at 124.756,2384.306 h1; Mechanical 12 "R20" at 134.753,2384.302 h1; Mechanical 12 "R138" at 149.759,2307.312 h1; Mechanical 12 "R141" at 134.755,2307.312 h1; Mechanical 12 "R143" at 124.744,2307.312 h1; Mechanical 12 "R147" at 134.741,2269.808 h1; Mechanical 12 "R149" at 124.755,2269.808 h1; Mechanical 12 "R197" at 149.738,2256.805 h1; Mechanical 12 "VT2" at 150.678,2247.23 h1; Mechanical 12 "C158" at 151.643,2228.749 h1; Mechanical 12 "R44" at 94.743,2384.305 h1; Mechanical 12 "R47" at 109.759,2384.313 h1; Mechanical 12 "R113" at 99.596,2352.163 h1; Mechanical 12 "R129" at 92.106,2352.147 h1; Mechanical 12 "R115" at 99.599,2342.151 h1; Mechanical 12 "R167" at 92.097,2342.15 h1; Mechanical 12 "R110" at 99.606,2332.154 h1; Mechanical 12 "R165" at 92.097,2332.164 h1; Mechanical 12 "R116" at 99.606,2322.146 h1; Mechanical 12 "R163" at 92.097,2322.153 h1; Mechanical 12 "R154" at 109.747,2307.315 h1; Mechanical 12 "C80" at 92.162,2293.766 h1; Mechanical 12 "C103" at 115.662,2297.762 h1; Mechanical 12 "C106" at 108.143,2297.762 h1; Mechanical 12 "C109" at 100.65,2297.762 h1; Mechanical 12 "DD14" at 99.59,2289.253 h1; Mechanical 12 "R152" at 109.751,2269.808 h1; Mechanical 12 "R170" at 92.588,2267.205 h1; Mechanical 12 "R172" at 92.588,2257.197 h1; Mechanical 12 "R174" at 92.105,2247.19 h1; Mechanical 12 "R175" at 92.105,2242.186 h1; Mechanical 12 "R176" at 92.105,2237.207 h1; Mechanical 12 "L7" at 78.854,2444.048 h1; Mechanical 12 "L8" at 78.854,2434.065 h1; Mechanical 12 "VD6" at 85.955,2404.597 h1; Mechanical 12 "VD3" at 85.96,2397.09 h1; Mechanical 12 "L3" at 70.109,2385.554 h1; Mechanical 12 "L4" at 77.591,2385.554 h1; Mechanical 12 "L5" at 85.099,2385.554 h1; Mechanical 12 "C110" at 69.64,2356.269 h1; Mechanical 12 "C127" at 84.654,2353.769 h1; Mechanical 12 "R80" at 77.107,2354.667 h1; Mechanical 12 "C125" at 84.654,2346.25 h1; Mechanical 12 "R161" at 77.089,2344.668 h1; Mechanical 12 "C123" at 84.146,2338.757 h1; Mechanical 12 "R108" at 77.089,2339.65 h1; Mechanical 12 "R160" at 77.089,2334.657 h1; Mechanical 12 "C97" at 69.662,2326.257 h1; Mechanical 12 "R159" at 77.089,2329.664 h1; Mechanical 12 "C119" at 84.654,2323.746 h1; Mechanical 12 "R157" at 77.089,2319.653 h1; Mechanical 12 "C90" at 78.142,2287.247 h1; Mechanical 12 "C62" at 78.157,2279.764 h1; Mechanical 12 "DD10" at 75.976,2268.907 h1; Mechanical 12 "L13" at 232.854,2426.566 h1; Mechanical 12 "R90" at 230.594,2412.164 h1; Mechanical 12 "R92" at 230.594,2402.156 h1; Mechanical 12 "R94" at 230.594,2392.149 h1; Mechanical 12 "R104" at 222.756,2379.804 h1; Mechanical 12 "R210" at 237.611,2262.158 h1; Mechanical 12 "R208" at 232.099,2259.669 h1; Mechanical 12 "R215" at 237.611,2252.15 h1; Mechanical 12 "R234" at 232.099,2249.661 h1; Mechanical 12 "R229" at 232.099,2239.653 h1; Mechanical 12 "R219" at 232.26,2227.311 h1; Mechanical 12 "R236" at 222.26,2227.319 h1; Mechanical 12 "VD12" at 200.455,2436.446 h1; Mechanical 12 "VD14" at 190.447,2436.446 h1; Mechanical 12 "R57" at 190.091,2412.164 h1; Mechanical 12 "R88" at 190.091,2402.156 h1; Mechanical 12 "R86" at 190.091,2392.149 h1; Mechanical 12 "R84" at 190.091,2382.166 h1; Mechanical 12 "R83" at 197.762,2379.804 h1; Mechanical 12 "R107" at 207.744,2379.804 h1; Mechanical 12 "R186" at 197.244,2227.311 h1; Mechanical 12 "R198" at 207.258,2227.311 h1; Mechanical 12 "R212" at 192.256,2227.311 h1; Mechanical 12 "VD7" at 157.459,2448.965 h1; Mechanical 12 "VD10" at 167.442,2448.965 h1; Mechanical 12 "C36" at 166.64,2438.752 h1; Mechanical 12 "C31" at 159.661,2418.747 h1; Mechanical 12 "C5" at 166.649,2416.269 h1; Mechanical 12 "C49" at 182.141,2416.253 h1; Mechanical 12 "C56" at 174.648,2416.253 h1; Mechanical 12 "C34" at 159.161,2396.25 h1; Mechanical 12 "C1" at 166.641,2386.257 h1; Mechanical 12 "C51" at 174.648,2386.256 h1; Mechanical 12 "C60" at 182.141,2386.256 h1; Mechanical 12 "DD2" at 159.914,2375.811 h1; Mechanical 12 "R64" at 167.238,2361.796 h1; Mechanical 12 "R75" at 182.25,2361.796 h1; Mechanical 12 "X1" at 167.094,2298.32 h1; Mechanical 12 "VT4" at 183.855,2237.398 h1; Mechanical 12 "C163" at 159.848,2227.759 h1; Mechanical 12 "C8" at 143.139,2442.761 h1; Mechanical 12 "C16" at 135.646,2442.753 h1; Mechanical 12 "C27" at 151.656,2418.758 h1; Mechanical 12 "C24" at 151.648,2396.267 h1; Mechanical 12 "R40" at 124.753,2391.805 h1; Mechanical 12 "R42" at 134.76,2391.797 h1; Mechanical 12 "VD2" at 124.945,2373.959 h1; Mechanical 12 "VD4" at 134.952,2373.948 h1; Mechanical 12 "C112" at 143.141,2262.246 h1; Mechanical 12 "C115" at 135.641,2262.249 h1; Mechanical 12 "C166" at 135.645,2237.746 h1; Mechanical 12 "C169" at 143.138,2237.746 h1; Mechanical 12 "R34" at 94.755,2391.796 h1; Mechanical 12 "R37" at 109.741,2391.797 h1; Mechanical 12 "L12" at 92.842,2371.557 h1; Mechanical 12 "R114" at 99.596,2347.17 h1; Mechanical 12 "R168" at 92.097,2347.168 h1; Mechanical 12 "R166" at 92.097,2337.157 h1; Mechanical 12 "R169" at 99.596,2337.158 h1; Mechanical 12 "R109" at 99.592,2327.15 h1; Mechanical 12 "R164" at 92.097,2327.146 h1; Mechanical 12 "R112" at 99.606,2317.168 h1; Mechanical 12 "R162" at 92.097,2317.16 h1; Mechanical 12 "C88" at 92.162,2308.752 h1; Mechanical 12 "R177" at 92.243,2274.314 h1; Mechanical 12 "R171" at 92.588,2262.201 h1; Mechanical 12 "C172" at 77.154,2420.754 h1; Mechanical 12 "X2" at 69.332,2414.575 h1; Mechanical 12 "VD8" at 85.955,2412.079 h1; Mechanical 12 "L9" at 70.344,2371.557 h1; Mechanical 12 "L10" at 77.852,2371.557 h1; Mechanical 12 "L11" at 85.36,2371.557 h1; Mechanical 12 "R81" at 77.107,2349.663 h1; Mechanical 12 "C104" at 69.64,2341.269 h1; Mechanical 12 "C121" at 84.146,2331.264 h1; Mechanical 12 "C93" at 69.653,2318.753 h1; Mechanical 12 "R156" at 77.089,2314.66 h1; Mechanical 12 "C113" at 84.654,2308.76 h1; Mechanical 12 "R118" at 77.256,2294.808 h1; Mechanical 12 "DD8" at 84.448,2286.688 h1; Mechanical 12 "C114" at 186.639,2316.268 h1; Mechanical 12 "C57" at 177.849,2430.249 h1; Mechanical 12 "R134" at 179.598,2324.646 h1; Mechanical 12 "C86" at 169.66,2316.268 h1; Mechanical 12 "C171" at 170.643,2236.257 h1; Mechanical 12 "R124" at 162.112,2324.661 h1; Mechanical 12 "C161" at 163.658,2251.268 h1; Mechanical 12 "C167" at 163.658,2236.257 h1; Mechanical 12 "R14" at 145.09,2422.159 h1; Mechanical 12 "R204" at 144.738,2244.299 h1; Mechanical 12 "R3" at 137.604,2422.162 h1; Mechanical 12 "R189" at 139.759,2244.299 h1; Mechanical 12 "R207" at 129.752,2244.299 h1; Mechanical 12 "C63" at 119.658,2366.267 h1; Mechanical 12 "R191" at 119.744,2244.299 h1; Mechanical 12 "R25" at 107.109,2422.165 h1; Mechanical 12 "DD12" at 82.733,2267.459 h1; Mechanical 12 "L15" at 235.608,2448.054 h1; Mechanical 12 "R70" at 237.604,2407.16 h1; Mechanical 12 "R68" at 237.604,2397.152 h1; Mechanical 12 "R66" at 237.604,2387.17 h1; Mechanical 12 "C94" at 235.147,2336.268 h1; Mechanical 12 "C146" at 235.147,2321.257 h1; Mechanical 12 "C143" at 235.147,2313.764 h1; Mechanical 12 "C140" at 235.147,2306.271 h1; Mechanical 12 "L16" at 228.344,2448.054 h1; Mechanical 12 "C50" at 226.642,2436.268 h1; Mechanical 12 "R54" at 227.76,2419.809 h1; Mechanical 12 "L23" at 227.85,2364.056 h1; Mechanical 12 "C137" at 227.342,2352.753 h1; Mechanical 12 "C64" at 227.342,2347.749 h1; Mechanical 12 "C156" at 227.654,2336.268 h1; Mechanical 12 "C153" at 227.654,2321.257 h1; Mechanical 12 "C154" at 227.654,2313.764 h1; Mechanical 12 "C155" at 227.654,2306.271 h1; Mechanical 12 "R221" at 227.253,2234.811 h1; Mechanical 12 "L17" at 220.851,2448.054 h1; Mechanical 12 "C42" at 217.346,2435.252 h1; Mechanical 12 "RX_D2+" at 218.25,2425.25 h1 r90; Mechanical 12 "R73" at 217.752,2419.809 h1; Mechanical 12 "R98" at 219.759,2372.311 h1; Mechanical 12 "L22" at 217.843,2364.056 h1; Mechanical 12 "C85" at 219.653,2336.268 h1; Mechanical 12 "C75" at 219.653,2321.257 h1; Mechanical 12 "C77" at 219.653,2313.764 h1; Mechanical 12 "C81" at 219.653,2306.271 h1; Mechanical 12 "R194" at 219.748,2267.319 h1; Mechanical 12 "R228" at 217.252,2234.318 h1; Mechanical 12 "L18" at 213.358,2448.054 h1; Mechanical 12 "RX_D1-" at 210.75,2425.25 h1 r90; Mechanical 12 "RX_D2-" at 215.75,2425.25 h1 r90; Mechanical 12 "R72" at 212.748,2419.809 h1; Mechanical 12 "R100" at 210.259,2372.311 h1; Mechanical 12 "C139" at 212.153,2336.268 h1; Mechanical 12 "C145" at 212.153,2321.257 h1; Mechanical 12 "C148" at 212.153,2313.764 h1; Mechanical 12 "C149" at 212.153,2306.271 h1; Mechanical 12 "R203" at 209.752,2267.296 h1; Mechanical 12 "R227" at 212.259,2234.301 h1; Mechanical 12 "R49" at 202.741,2444.32 h1; Mechanical 12 "RX_D0+" at 208.25,2425.25 h1 r90; Mechanical 12 "RX_D0-" at 205.75,2425.25 h1 r90; Mechanical 12 "R62" at 202.741,2419.809 h1; Mechanical 12 "R101" at 205.255,2372.311 h1; Mechanical 12 "C141" at 204.66,2343.761 h1; Mechanical 12 "C144" at 204.66,2336.268 h1; Mechanical 12 "C150" at 204.66,2321.257 h1; Mechanical 12 "C151" at 204.66,2313.764 h1; Mechanical 12 "C152" at 204.66,2306.271 h1; Mechanical 12 "R202" at 204.759,2267.296 h1; Mechanical 12 "DD16" at 204.85,2256.718 h1; Mechanical 12 "R233" at 202.259,2234.319 h1; Mechanical 12 "R51" at 192.758,2444.32 h1; Mechanical 12 "L19" at 197.599,2364.056 h1; Mechanical 12 "C67" at 196.659,2343.761 h1; Mechanical 12 "C65" at 196.659,2336.268 h1; Mechanical 12 "C68" at 196.659,2321.257 h1; Mechanical 12 "C71" at 196.659,2313.764 h1; Mechanical 12 "C73" at 196.659,2306.271 h1; Mechanical 12 "R187" at 194.748,2267.296 h1; Mechanical 12 "R183" at 194.592,2257.15 h1; Mechanical 12 "R201" at 194.588,2247.164 h1; Mechanical 12 "R214" at 194.589,2242.164 h1; Mechanical 12 "R50" at 187.755,2444.32 h1; Mechanical 12 "DD6" at 188.237,2427.378 h1; Mechanical 12 "C43" at 189.152,2377.061 h1; Mechanical 12 "C99" at 186.639,2353.758 h1; Mechanical 12 "C102" at 186.639,2346.265 h1; Mechanical 12 "C105" at 186.639,2338.747 h1; Mechanical 12 "C111" at 186.639,2323.761 h1; Mechanical 12 "R182" at 187.103,2257.15 h1; Mechanical 12 "R226" at 187.095,2247.164 h1; Mechanical 12 "R218" at 187.103,2242.171 h1; Mechanical 12 "R61" at 177.25,2369.314 h1; Mechanical 12 "R128" at 179.598,2344.669 h1; Mechanical 12 "R131" at 179.598,2339.651 h1; Mechanical 12 "R132" at 179.598,2334.658 h1; Mechanical 12 "R133" at 179.598,2329.665 h1; Mechanical 12 "R135" at 179.598,2319.668 h1; Mechanical 12 "R238" at 177.247,2239.305 h1; Mechanical 12 "C162" at 176.662,2228.749 h1; Mechanical 12 "R60" at 172.246,2369.314 h1; Mechanical 12 "C72" at 169.66,2353.758 h1; Mechanical 12 "C74" at 169.66,2346.265 h1; Mechanical 12 "C76" at 169.652,2338.747 h1; Mechanical 12 "C82" at 169.66,2323.761 h1; Mechanical 12 "DD13" at 172.09,2289.071 h1; Mechanical 12 "C159" at 169.144,2228.749 h1; Mechanical 12 "C6" at 161.645,2387.062 h1; Mechanical 12 "R120" at 162.112,2344.658 h1; Mechanical 12 "R121" at 162.112,2339.665 h1; Mechanical 12 "R122" at 162.095,2334.647 h1; Mechanical 12 "R123" at 162.112,2329.654 h1; Mechanical 12 "R125" at 162.112,2319.668 h1; Mechanical 12 "C79" at 160.66,2297.762 h1; Mechanical 12 "C14" at 156.654,2387.062 h1; Mechanical 12 "R137" at 154.752,2307.312 h1; Mechanical 12 "C83" at 153.152,2297.754 h1; Mechanical 12 "L24" at 153.345,2269.048 h1; Mechanical 12 "DD15" at 154.26,2259.193 h1; Mechanical 12 "R16" at 145.09,2432.166 h1; Mechanical 12 "R15" at 145.088,2427.166 h1; Mechanical 12 "R13" at 145.088,2417.159 h1; Mechanical 12 "R11" at 145.088,2407.151 h1; Mechanical 12 "R9" at 145.104,2397.164 h1; Mechanical 12 "C40" at 146.662,2387.07 h1; Mechanical 12 "R139" at 144.741,2307.312 h1; Mechanical 12 "C87" at 145.659,2297.754 h1; Mechanical 12 "R145" at 144.752,2269.808 h1; Mechanical 12 "R1" at 137.604,2432.169 h1; Mechanical 12 "R2" at 137.605,2427.165 h1; Mechanical 12 "R4" at 137.588,2417.158 h1; Mechanical 12 "R6" at 137.605,2407.15 h1; Mechanical 12 "R8" at 137.604,2397.168 h1; Mechanical 12 "R21" at 139.757,2384.313 h1; Mechanical 12 "DD3" at 139.528,2376.682 h1; Mechanical 12 "R140" at 139.748,2307.312 h1; Mechanical 12 "C92" at 138.141,2297.754 h1; Mechanical 12 "R146" at 139.759,2269.808 h1; Mechanical 12 "C21" at 128.139,2449.768 h1; Mechanical 12 "R19" at 129.749,2384.321 h1; Mechanical 12 "R142" at 129.762,2307.312 h1; Mechanical 12 "C96" at 130.648,2297.762 h1; Mechanical 12 "R148" at 129.748,2269.808 h1; Mechanical 12 "C19" at 120.639,2449.76 h1; Mechanical 12 "DD1" at 120.17,2432.061 h1; Mechanical 12 "R17" at 119.742,2384.306 h1; Mechanical 12 "R144" at 119.751,2307.312 h1; Mechanical 12 "C100" at 123.155,2297.754 h1; Mechanical 12 "R150" at 119.762,2269.808 h1; Mechanical 12 "C18" at 113.157,2449.768 h1; Mechanical 12 "DD4" at 114.484,2419.916 h1; Mechanical 12 "R48" at 114.738,2384.298 h1; Mechanical 12 "R153" at 114.74,2307.308 h1; Mechanical 12 "R151" at 114.744,2269.808 h1; Mechanical 12 "C17" at 105.662,2449.765 h1; Mechanical 12 "R24" at 107.099,2432.162 h1; Mechanical 12 "R23" at 107.099,2427.158 h1; Mechanical 12 "R26" at 107.093,2417.162 h1; Mechanical 12 "R28" at 107.109,2407.154 h1; Mechanical 12 "R30" at 107.109,2397.146 h1; Mechanical 12 "R46" at 104.75,2384.296 h1; Mechanical 12 "R55" at 107.098,2374.647 h1; Mechanical 12 "R77" at 107.098,2364.665 h1; Mechanical 12 "R79" at 107.098,2354.658 h1; Mechanical 12 "R155" at 104.747,2307.305 h1; Mechanical 12 "R196" at 104.742,2269.798 h1; Mechanical 12 "R31" at 99.61,2407.169 h1; Mechanical 12 "R33" at 99.61,2397.161 h1; Mechanical 12 "R45" at 99.746,2384.305 h1; Mechanical 12 "L1" at 91.362,2444.046 h1; Mechanical 12 "L2" at 91.351,2434.304 h1; Mechanical 12 "DD11" at 82.733,2254.937 h1; Mechanical 12 "C133" at 74.655,2261.287 h1; Mechanical 12 "C131" at 74.655,2246.301 h1; Mechanical 12 "C130" at 74.655,2238.808 h1; Mechanical 12 "R71" at 237.604,2412.164 h1; Mechanical 12 "R69" at 237.604,2402.156 h1; Mechanical 12 "R67" at 237.604,2392.149 h1; Mechanical 12 "C98" at 235.147,2328.75 h1; Mechanical 12 "R216" at 237.242,2227.311 h1; Mechanical 12 "C47" at 226.642,2428.75 h1; Mechanical 12 "R103" at 227.76,2379.804 h1; Mechanical 12 "C157" at 227.654,2328.75 h1; Mechanical 12 "R223" at 227.246,2227.311 h1; Mechanical 12 "C45" at 220.14,2428.75 h1; Mechanical 12 "R105" at 217.752,2379.804 h1; Mechanical 12 "C89" at 219.653,2328.75 h1; Mechanical 12 "R237" at 217.251,2227.311 h1; Mechanical 12 "R106" at 212.748,2379.804 h1; Mechanical 12 "C142" at 212.153,2328.75 h1; Mechanical 12 "R185" at 212.258,2227.319 h1; Mechanical 12 "R82" at 202.741,2379.804 h1; Mechanical 12 "C138" at 204.66,2351.254 h1; Mechanical 12 "C147" at 204.66,2328.75 h1; Mechanical 12 "R200" at 202.256,2227.297 h1; Mechanical 12 "VD13" at 195.451,2436.446 h1; Mechanical 12 "C66" at 196.659,2351.254 h1; Mechanical 12 "C69" at 196.659,2328.75 h1; Mechanical 12 "R184" at 194.592,2252.157 h1; Mechanical 12 "VD15" at 185.443,2436.446 h1; Mechanical 12 "C95" at 186.639,2361.266 h1; Mechanical 12 "C108" at 186.639,2331.254 h1; Mechanical 12 "C117" at 186.639,2308.75 h1; Mechanical 12 "R181" at 187.103,2252.157 h1; Mechanical 12 "R232" at 187.259,2227.297 h1; Mechanical 12 "VD16" at 180.439,2436.446 h1; Mechanical 12 "C41" at 177.849,2422.756 h1; Mechanical 12 "R74" at 177.246,2361.796 h1; Mechanical 12 "R127" at 179.606,2349.662 h1; Mechanical 12 "R136" at 179.598,2314.649 h1; Mechanical 12 "VD11" at 172.445,2448.965 h1; Mechanical 12 "R65" at 172.242,2361.796 h1; Mechanical 12 "C78" at 169.66,2331.254 h1; Mechanical 12 "C91" at 169.66,2308.75 h1; Mechanical 12 "C160" at 171.659,2266.254 h1; Mechanical 12 "VD9" at 162.438,2448.965 h1; Mechanical 12 "R119" at 162.112,2349.651 h1; Mechanical 12 "R126" at 162.112,2314.649 h1; Mechanical 12 "C165" at 163.658,2243.75 h1; Mechanical 12 "VD5" at 152.456,2448.965 h1; Mechanical 12 "DD5" at 152.351,2375.804 h1; Mechanical 12 "R12" at 145.088,2412.155 h1; Mechanical 12 "R10" at 145.112,2402.147 h1; Mechanical 12 "R22" at 145.09,2392.161 h1; Mechanical 12 "R5" at 137.604,2412.154 h1; Mechanical 12 "R7" at 137.605,2402.146 h1; Mechanical 12 "R43" at 139.739,2391.805 h1; Mechanical 12 "C13" at 128.153,2442.753 h1; Mechanical 12 "R41" at 129.749,2391.816 h1; Mechanical 12 "VD1" at 129.938,2373.96 h1; Mechanical 12 "C118" at 128.148,2262.249 h1; Mechanical 12 "C168" at 128.152,2237.746 h1; Mechanical 12 "C7" at 120.66,2442.761 h1; Mechanical 12 "R39" at 119.749,2391.805 h1; Mechanical 12 "C120" at 120.655,2262.249 h1; Mechanical 12 "C164" at 120.659,2237.746 h1; Mechanical 12 "C20" at 113.142,2442.761 h1; Mechanical 12 "R38" at 114.745,2391.796 h1; Mechanical 12 "DD9" at 114.138,2351.498 h1; Mechanical 12 "C122" at 113.162,2262.249 h1; Mechanical 12 "C170" at 113.14,2237.746 h1; Mechanical 12 "C10" at 105.649,2442.761 h1; Mechanical 12 "R27" at 107.109,2412.158 h1; Mechanical 12 "R29" at 107.109,2402.15 h1; Mechanical 12 "R36" at 104.738,2391.796 h1; Mechanical 12 "R76" at 107.098,2369.669 h1; Mechanical 12 "R78" at 107.098,2359.661 h1; Mechanical 12 "C124" at 105.643,2262.264 h1; Mechanical 12 "C126" at 105.643,2237.753 h1; Mechanical 12 "R32" at 99.61,2402.165 h1; Mechanical 12 "R35" at 99.759,2391.796 h1; Mechanical 12 "C128" at 95.661,2229.791 h1; Mechanical 12 "L6" at 92.59,2420.563 h1; Mechanical 12 "R111" at 87.254,2294.819 h1; Mechanical 12 "R178" at 87.25,2274.307 h1; Mechanical 12 "C129" at 88.143,2229.791 h1; Mechanical 12 "R117" at 82.261,2294.816 h1; Mechanical 12 "C132" at 74.655,2253.794 h1; Mechanical 12 "L20" at 75.341,2229.359 h1; Mechanical 12 "RX_CLK+" at 203.25,2425.25 h1 r90; Mechanical 12 "RX_D1+" at 213.25,2425.25 h1 r90
ZBOAS1479387214: Mechanical 7 "184" at 377.456,2210.781 h3.84; Mechanical 7 "180" at 381.216,2210.781 h3.84; Mechanical 7 "176" at 385.332,2210.781 h3.84; Mechanical 7 "172" at 389.224,2210.781 h3.84; Mechanical 7 "168" at 393.259,2210.781 h3.84; Mechanical 7 "164" at 397.456,2210.781 h3.84; Mechanical 7 "160" at 401.216,2210.781 h3.84; Mechanical 7 "156" at 405.422,2210.781 h3.84; Mechanical 7 "152" at 409.314,2210.781 h3.84; Mechanical 7 "148" at 413.259,2210.781 h3.84; Mechanical 7 "144" at 417.456,2210.781 h3.84; Mechanical 7 "140" at 421.216,2210.781 h3.84; Mechanical 7 "136" at 425.422,2210.781 h3.84; Mechanical 7 "132" at 429.314,2210.781 h3.84; Mechanical 7 "128" at 433.259,2210.781 h3.84; Mechanical 7 "124" at 437.456,2210.781 h3.84; Mechanical 7 "120" at 441.216,2210.781 h3.84; Mechanical 7 "116" at 445.6,2210.781 h3.84; Mechanical 7 "112" at 449.492,2210.781 h3.84; Mechanical 7 "108" at 453.259,2210.781 h3.84; Mechanical 7 "104" at 457.456,2210.781 h3.84; Mechanical 7 "100" at 461.216,2210.781 h3.84; Mechanical 7 "96" at 465.779,2210.781 h3.84; Mechanical 7 "92" at 469.67,2210.781 h3.84; Mechanical 7 "88" at 473.593,2210.781 h3.84; Mechanical 7 "84" at 477.79,2210.781 h3.84; Mechanical 7 "80" at 481.55,2210.781 h3.84; Mechanical 7 "76" at 485.867,2210.781 h3.84; Mechanical 7 "72" at 489.758,2210.781 h3.84; Mechanical 7 "68" at 493.593,2210.781 h3.84; Mechanical 7 "64" at 497.79,2210.781 h3.84; Mechanical 7 "60" at 501.55,2210.781 h3.84; Mechanical 7 "56" at 505.69,2210.781 h3.84; Mechanical 7 "52" at 509.582,2210.781 h3.84; Mechanical 7 "48" at 513.617,2210.781 h3.84; Mechanical 7 "44" at 517.814,2210.781 h3.84; Mechanical 7 "40" at 521.574,2210.781 h3.84; Mechanical 7 "36" at 525.69,2210.781 h3.84; Mechanical 7 "32" at 529.582,2210.781 h3.84; Mechanical 7 "28" at 533.529,2210.781 h3.84; Mechanical 7 "24" at 537.726,2210.781 h3.84; Mechanical 7 "20" at 541.486,2210.781 h3.84; Mechanical 7 "16" at 546.137,2210.781 h3.84; Mechanical 7 "12" at 550.028,2210.781 h3.84; Mechanical 7 "8" at 554.397,2210.781 h3.84; Mechanical 7 "4" at 558.618,2210.781 h3.84; Mechanical 7 "0" at 562.354,2210.781 h3.84; Mechanical 7 "240" at 567.25,2454.002 h3.84; Mechanical 7 "236" at 567.25,2450.002 h3.84; Mechanical 7 "232" at 567.25,2446.002 h3.84; Mechanical 7 "228" at 567.25,2442.002 h3.84; Mechanical 7 "224" at 567.25,2438.002 h3.84; Mechanical 7 "220" at 567.25,2434.002 h3.84; Mechanical 7 "216" at 567.25,2430.002 h3.84; Mechanical 7 "212" at 567.25,2426.002 h3.84; Mechanical 7 "208" at 567.25,2422.002 h3.84; Mechanical 7 "204" at 567.25,2418.002 h3.84; Mechanical 7 "200" at 567.25,2414.002 h3.84; Mechanical 7 "196" at 567.25,2410.002 h3.84; Mechanical 7 "192" at 567.25,2406.002 h3.84; Mechanical 7 "188" at 567.25,2402.002 h3.84; Mechanical 7 "184" at 567.25,2398.002 h3.84; Mechanical 7 "180" at 567.25,2394.002 h3.84; Mechanical 7 "176" at 567.25,2390.002 h3.84; Mechanical 7 "172" at 567.25,2386.002 h3.84; Mechanical 7 "168" at 567.25,2382.002 h3.84; Mechanical 7 "164" at 567.25,2378.002 h3.84; Mechanical 7 "160" at 567.25,2374.002 h3.84; Mechanical 7 "156" at 567.25,2370.002 h3.84; Mechanical 7 "152" at 567.25,2366.002 h3.84; Mechanical 7 "148" at 567.25,2362.002 h3.84; Mechanical 7 "144" at 567.25,2358.002 h3.84; Mechanical 7 "140" at 567.25,2354.002 h3.84; Mechanical 7 "136" at 567.25,2350.002 h3.84; Mechanical 7 "132" at 567.25,2346.002 h3.84; Mechanical 7 "128" at 567.25,2342.002 h3.84; Mechanical 7 "124" at 567.25,2338.002 h3.84; Mechanical 7 "120" at 567.25,2334.002 h3.84; Mechanical 7 "116" at 567.25,2330.002 h3.84; Mechanical 7 "112" at 567.25,2326.002 h3.84; Mechanical 7 "108" at 567.25,2322.002 h3.84; Mechanical 7 "104" at 567.25,2318.002 h3.84; Mechanical 7 "100" at 567.25,2314.002 h3.84; Mechanical 7 "96" at 567.25,2310.002 h3.84; Mechanical 7 "92" at 567.25,2306.002 h3.84; Mechanical 7 "88" at 567.25,2302.002 h3.84; Mechanical 7 "84" at 567.25,2298.002 h3.84; Mechanical 7 "80" at 567.25,2294.002 h3.84; Mechanical 7 "76" at 567.25,2290.002 h3.84; Mechanical 7 "72" at 567.25,2286.002 h3.84; Mechanical 7 "68" at 567.25,2282.002 h3.84; Mechanical 7 "64" at 567.25,2278.002 h3.84; Mechanical 7 "60" at 567.25,2274.002 h3.84; Mechanical 7 "56" at 567.25,2270.002 h3.84; Mechanical 7 "52" at 567.25,2266.002 h3.84; Mechanical 7 "48" at 567.25,2262.002 h3.84; Mechanical 7 "44" at 567.25,2258.002 h3.84; Mechanical 7 "40" at 567.25,2254.002 h3.84; Mechanical 7 "36" at 567.25,2250.002 h3.84; Mechanical 7 "32" at 567.25,2246.002 h3.84; Mechanical 7 "28" at 567.25,2242.002 h3.84; Mechanical 7 "24" at 567.25,2238.002 h3.84; Mechanical 7 "20" at 567.25,2234.002 h3.84; Mechanical 7 "16" at 567.25,2230.002 h3.84; Mechanical 7 "12" at 567.25,2226.002 h3.84; Mechanical 7 "8" at 567.25,2222.002 h3.84; Mechanical 7 "4" at 567.25,2218.002 h3.84; Mechanical 7 "0" at 567.25,2214.002 h3.84